# Altium PCB NUCLEOG431RB-Custom-IN-A2212.PcbDoc (part 1 of 5) (continued)
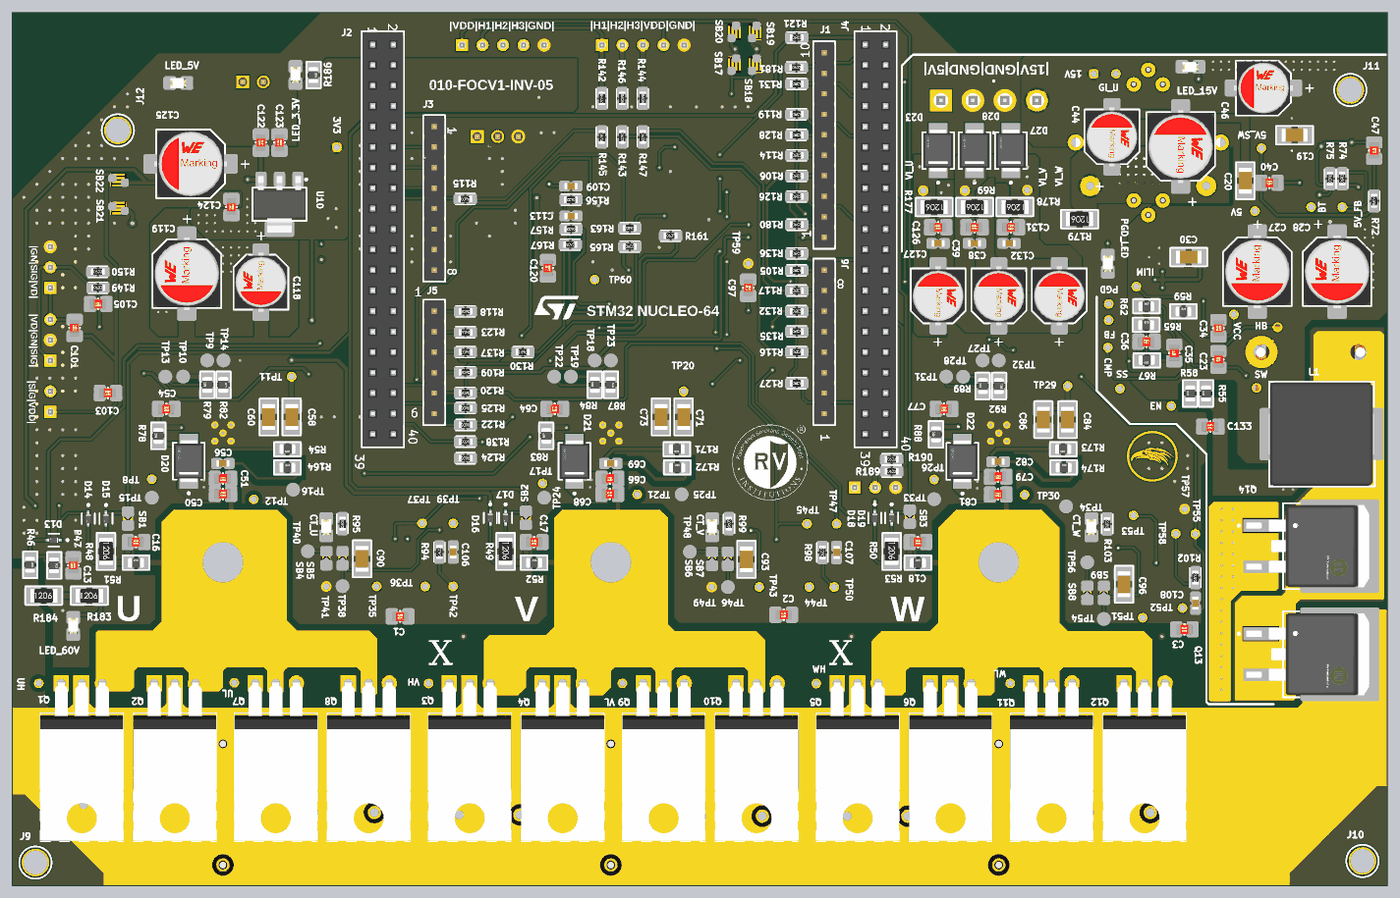
[diagram p8: 3D render of the assembled board from above, using the file's embedded part models]
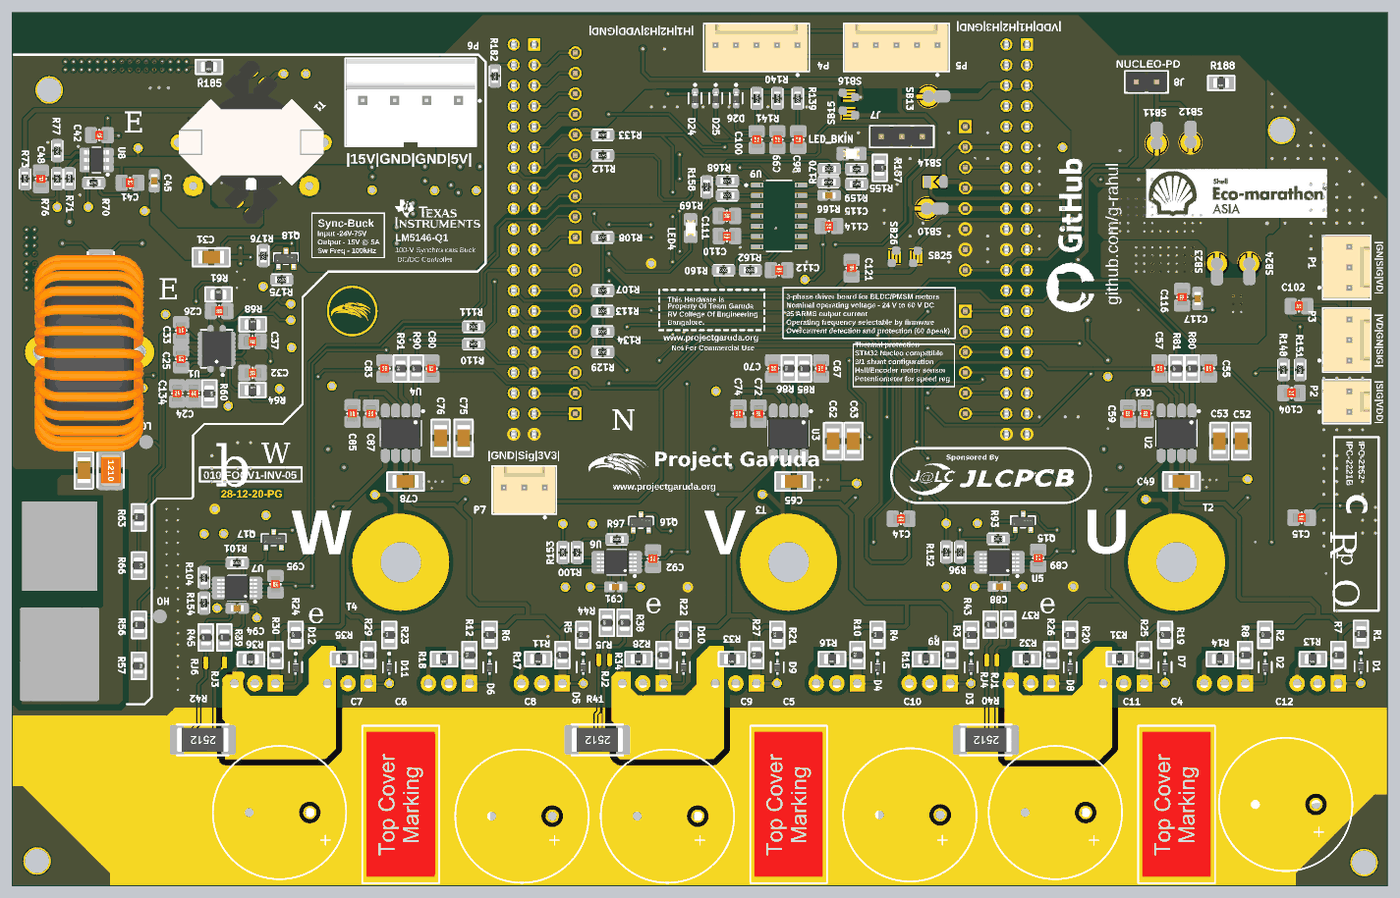
[diagram p9: 3D render of the assembled board from below, using the file's embedded part models]

## Layer stack, top to bottom
Top Solder: solder mask 0.0127, Solder Resist, Dk 3.3
Top Layer: signal copper 0.0178
Dielectric 1: prepreg 0.0711, PP-006, Dk 4.1
POWER1: signal copper 0.035
Dielectric1: core 1.4986, FR-4, Dk 4.3
POWER2: signal copper 0.035
Dielectric 2: prepreg 0.0711, PP-006, Dk 4.1
Bottom Layer: signal copper 0.0178
Bottom Solder: solder mask 0.0127, Solder Resist, Dk 3.3

## Board outline
0,4.299 0,85 18,103 33,103 38,108 112,108 117,103 170,103 170,0 150,0 0.001,0

## Design rules (kind name [scope] priority, off if disabled: settings)
Clearance "Schematic Clearance Constraint_1" [InNetClass('HV')] p1: gap=0.762 ignorepadtopadclearanceinfootprint=FALSE except(0: Arc-Hole Track-Hole SMDPad-Hole THPad-Hole Via-Hole Fill-Hole Poly-Hole Region-Hole Text-Hole; 0.254: Arc-Text Track-Text SMDPad-Text THPad-Text Via-Text Fill-Text Poly-Text Region-Text Text-Text; 0.381: Arc-SMDPad Arc-THPad Arc-Via Track-SMDPad Track-THPad Track-Via SMDPad-SMDPad SMDPad-THPad SMDPad-Via THPad-THPad; 0.508: THPad-Fill THPad-Poly THPad-Region)
Clearance [All] p2: gap=0.152 ignorepadtopadclearanceinfootprint=FALSE except(0.127: Arc-Arc Arc-Track Track-Track; 0.2: Arc-THPad Track-THPad SMDPad-Hole THPad-Hole Via-Hole; 0.33: Arc-Hole Track-Hole)
DiffPairsRouting [All] p1: maxlimit=0.254 minlimit=0.254 mostfreqgap=0.254 toplayer_minwidth=0.254 toplayer_maxwidth=0.254 toplayer_prefwidth=0.254 midlayer1_minwidth=0.254 midlayer1_maxwidth=0.254 midlayer1_prefwidth=0.254 midlayer2_minwidth=0.254 midlayer2_maxwidth=0.254 midlayer2_prefwidth=0.254 bottomlayer_minwidth=0.254 bottomlayer_maxwidth=0.254 bottomlayer_prefwidth=0.254 substack1={9C03E9D1-F3E2-496D-AFFC-F596EAE3BE2A} toplayer_{9c03e9d1-f3e2-496d-affc-f596eae3be2a}_minwidth=0.381 toplayer_{9c03e9d1-f3e2-496d-affc-f596eae3be2a}_maxwidth=0.381 toplayer_{9c03e9d1-f3e2-496d-affc-f596eae3be2a}_prefwidth=0.381 midlayer1_{9c03e9d1-f3e2-496d-affc-f596eae3be2a}_minwidth=0.381 midlayer1_{9c03e9d1-f3e2-496d-affc-f596eae3be2a}_maxwidth=0.381 midlayer1_{9c03e9d1-f3e2-496d-affc-f596eae3be2a}_prefwidth=0.381 midlayer2_{9c03e9d1-f3e2-496d-affc-f596eae3be2a}_minwidth=0.381 midlayer2_{9c03e9d1-f3e2-496d-affc-f596eae3be2a}_maxwidth=0.381 midlayer2_{9c03e9d1-f3e2-496d-affc-f596eae3be2a}_prefwidth=0.381 bottomlayer_{9c03e9d1-f3e2-496d-affc-f596eae3be2a}_minwidth=0.381 bottomlayer_{9c03e9d1-f3e2-496d-affc-f596eae3be2a}_maxwidth=0.381 bottomlayer_{9c03e9d1-f3e2-496d-affc-f596eae3be2a}_prefwidth=0.381 maxuncoupledlength=12.7
Height [All] p1: minheight=0 maxheight=100 prefheight=12.7
HoleSize [All] p1: absolutevalues=TRUE maxlimit=7.62 minlimit=0.254 maxpercent=80.000 minpercent=20.000
HoleToHoleClearance [All] p1: gap=0.5 allowstackedmicrovias=TRUE
MinimumAnnularRing [All] p1: minimumring=0.13
MinimumSolderMaskSliver LOGO [HasFootprint('garudalogo6mm_circle')] p1: minsoldermaskwidth=0
MinimumSolderMaskSliver [All] p2: minsoldermaskwidth=0.2
PasteMaskExpansion [All] p1: expansion=0.254
PlaneClearance [All] p1: clearance=0.381
PlaneConnect [All] p1: pad.planeconnectstyle=Relief pad.reliefexpansion=0.508 pad.reliefentries=4 pad.reliefconductorwidth=0.254 pad.reliefairgap=0.254 via.planeconnectstyle=Direct via.reliefexpansion=0.508 via.reliefentries=4 via.reliefconductorwidth=0.254 via.reliefairgap=0.254
PolygonConnect PolygonConnect_SWN_BUCK [InNet('NetC23_2')] p1: connectstyle=Direct reliefconductorwidth=0.254 reliefentries=4 polygonreliefangle="90 Angle" airgapwidth=0.254
PolygonConnect GND_Connect [InNet('A_GND')] p2: connectstyle=Direct reliefconductorwidth=0.254 reliefentries=4 polygonreliefangle="90 Angle" airgapwidth=0.254
PolygonConnect PolygonConnect_HV [InNetClass('HV')] p3: connectstyle=Direct reliefconductorwidth=0.254 reliefentries=4 polygonreliefangle="90 Angle" airgapwidth=0.254
PolygonConnect [All] p4: thpad.connectstyle=Relief thpad.reliefconductorwidth=0.508 thpad.reliefentries=4 thpad.polygonreliefangle="45 Angle" thpad.airgapwidth=0.254 smdpad.connectstyle=Direct smdpad.reliefconductorwidth=0.254 smdpad.reliefentries=4 smdpad.polygonreliefangle="90 Angle" smdpad.airgapwidth=0.254 via.connectstyle=Direct via.reliefconductorwidth=0.254 via.reliefentries=4 via.polygonreliefangle="90 Angle" via.airgapwidth=0.254
RoutingVias [All] p1: holewidth=0.254 width=0.508 viastyle="Through Hole" minholewidth=0.254 minwidth=0.508 maxholewidth=1 maxwidth=2
SMDNeckDown [All] p1: percent=102.000
SilkToSilkClearance [All] p1: silktosilkclearance=0.15
SilkToSolderMaskClearance SilkscreenOverComponentPads [IsPad] p1: minsilkscreentomaskgap=0.025 clearancetoexposedcopper=TRUE
SolderMaskExpansion Via_Stitching [(InNamedUnion('Via Stitchings'))] p1: expansion=0 istentingtop=TRUE
SolderMaskExpansion "Via Expansion" [IsVia] p2: expansion=0.102 istentingtop=TRUE
SolderMaskExpansion [All] p3: expansion=0.05 istentingtop=FALSE
Width [All] p1: maxlimit=2.54 minlimit=0.254 preferedwidth=0.254 substack1={9C03E9D1-F3E2-496D-AFFC-F596EAE3BE2A}
20 further rules are at their usual default settings.

## Classes and differential pairs
component class NUCLEOG431RB-Custom-IN-A2212: J9 J10 J11 J12
component class U_Thermal_Sense: C101 C102 C103 C104 C105 P1 P2 P3 R148 R149 R150 R151 SB21 SB22
component class U_Hall_Input: C98 C99 C100 D24 D25 D26 P4 P5 R139 R140 R141 R142 R143 R144 R145 R146 R147 SB15 SB16 SB17 SB18 SB19 SB20
component class U_Connector: C97 J1 J2 J3 J4 J5 J6 J7 J8 LED4 P7 R105 R106 R107 R108 R109 R110 R111 R112 R113 R114 R115 R116 R117 R118 R119 R120 R121 R122 R123 R124 R125 R126 R127 R128 R129 R130 R131 R132 R133 R134 R135 R136 R137 R138 R180 R181 R182 R189 R190 SB10 SB11 SB12 SB13 SB14 TP59
net class HV: 60V NetQ7_3 NetQ9_3 NetQ11_3 PH_U PH_V PH_W
component class U_Power_Section: C1 C2 C3 C4 C5 C6 C7 C8 C9 C10 C11 C12 C13 D1 D2 D3 D4 D5 D6 D7 D8 D9 D10 D11 D12 D13 LED_60V Q1 Q2 Q3 Q4 Q5 Q6 Q7 Q8 Q9 Q10 Q11 Q12 R1 R2 R3 R4 R5 R6 R7 R8 R9 R10 R11 R12 R13 R14 R15 R16 R17 R18 R19 R20 R21 R22 R23 R24 R25 R26 R27 R28 R29 R30 R31 R32 R33 R34 R35 R36 R37 R38 R39 R40 R41 R42 R43 R44 R45 R46 R47 R183 R184 RJ1 RJ2 RJ3 RJ4 RJ5 RJ6 T2 T3 T4 UH UL VH VL WH WL
component class U_Isolated_Bias: 5V 5V_FB 5V_SW BT C19 C20 C38 C39 C40 C41 C42 C43 C44 C45 C46 C47 C48 C126 C127 C128 C129 C130 C131 C132 D23 D27 D28 GI_U LED_5V R69 R70 R71 R72 R73 R74 R75 R76 R77 R177 R178 R179 R188 T1 U8 VI_U VI_V VI_W
component class U_Gate_Driver: C49 C50 C51 C52 C53 C54 C55 C56 C57 C58 C59 C60 C61 C62 C63 C64 C65 C66 C67 C68 C69 C70 C71 C72 C73 C74 C75 C76 C77 C78 C79 C80 C81 C82 C83 C84 C85 C86 C87 D20 D21 D22 R54 R78 R79 R80 R81 R82 R83 R84 R85 R86 R87 R88 R89 R90 R91 R92 R164 R171 R172 R173 R174 TP8 TP9 TP10 TP11 TP12 TP13 TP14 TP15 TP16 TP17 TP18 TP19 TP20 TP21 TP22 TP23 TP24 TP25 TP26 TP27 TP28 TP29 TP30 TP31 TP32 TP33 TP34 U2 U3 U4
component class "U_Current Sense": C88 C89 C90 C91 C92 C93 C94 C95 C96 C106 C107 C108 C109 C110 C111 C112 C113 C114 C115 CT_U CT_V CT_W LED_BKIN Q15 Q16 Q17 R93 R94 R95 R96 R97 R98 R99 R100 R101 R102 R103 R104 R152 R153 R154 R155 R156 R157 R158 R159 R160 R161 R162 R163 R165 R166 R167 R168 R169 R170 R187 SB4 SB5 SB6 SB7 SB8 SB9 TP35 TP36 TP37 TP38 TP39 TP40 TP41 TP42 TP43 TP44 TP45 TP46 TP47 TP48 TP49 TP50 TP51 TP52 TP53 TP54 TP55 TP56 TP57 TP58 TP60 U5 U6 U7 U9
component class U_Auxillary_Supply: 3V3 15V C21 C22 C23 C24 C25 C26 C27 C28 C29 C30 C31 C32 C33 C34 C35 C36 C37 C122 C123 C124 C125 C133 C134 CMP EN FB HB HO ILIM L1 L2 LED_3.3V LED_15V LO P6 PGD PGD_LED Q13 Q14 Q18 R55 R56 R57 R58 R59 R60 R61 R62 R63 R64 R65 R66 R67 R68 R175 R176 R185 R186 SS SW U1 U10 VCC
component class U_Analog_Sense: C14 C15 C16 C17 C18 C116 C117 C118 C119 C120 C121 D14 D15 D16 D17 D18 D19 R48 R49 R50 R51 R52 R53 SB1 SB2 SB3 SB23 SB24 SB25 SB26
differential pair V_Shunt_W: +V_Shunt_W_P -V_Shunt_W_N
differential pair V_Shunt_V: +V_Shunt_V_P -V_Shunt_V_N
differential pair V_Shunt_U: +V_Shunt_U_P -V_Shunt_U_N

## Components (designator, comment, footprint, x,y, rotation, side; value= is the part's Value field where it differs from the comment)
3V3 "Test Point" Test_point_THT#1 40.1,91.4 r0 top
5V "Test Point" TEST_POINT_THT 153.7,83.5 r0 top
5V_FB "Test Point" TEST_POINT_THT 164.5,84 r90 top
5V_SW "Test Point" TEST_POINT_THT 154.497,91.293 r270 top
15V "Test Point" Test_point_THT#1 133.75,100.5 r0 top
BT "Test Point" TEST_POINT_THT 160.653,84 r270 top
C1 "180pF" SMD-0805C 47.925,33.3 r90 top
C2 "180pF" SMD-0805C 95.395,33.491 r90 top
C3 "180pF" SMD-0805C 144.97,31.703 r90 top
C4 "2.2uF, 100V" L18_W8.5_H15_P15 26,10 r90 bottom locked
C5 "2.2uF, 100V" L18_W8.5_H15_P15 74,10 r90 bottom locked
C6 "2.2uF, 100V" L18_W8.5_H15_P15 122,10 r90 bottom locked
C7 "270uF, 100V" WCAP-ATUL_16x25 137,9 r180 bottom locked
C8 "270uF, 100V" WCAP-ATUL_16x25 107,8.554 r180 bottom locked
C9 "270uF, 100V" WCAP-ATUL_16x25 89,8.554 r180 bottom locked
C10 "270uF, 100V" WCAP-ATUL_16x25 59,8.712 r180 bottom locked
C11 "270uF, 100V" WCAP-ATUL_16x25 41,9 r180 bottom locked
C12 "270uF, 100V" WCAP-ATUL_16x25 12.5,10 r180 bottom
C13 "0.10µF" SMD-0805C 7.5,39.624 r0 top
C14 "0.10µF" SMD-0805C 60.096,45.392 r270 bottom
C15 "0.10µF" SMD-0805C 10.516,45.52 r270 bottom
C16 "0.10µF" SMD-0805C 15.24,42.5 r90 top
C17 "0.10µF" SMD-0805C 64.516,42.5 r90 top
C18 "0.10µF" SMD-0805C 112,42.5 r90 top
C19 "4.7µF" SMD-1206C#1 158.6,92.9 r90 top
C20 "4.7µF" SMD-1206C#1 152.5,87.259 r180 top
C21 "2.2µF" SMD-1210C 157.9,51.4 r270 bottom
C22 "0.47µF" SMD-1206C#1 161.2,51.4 r180 bottom
C23 "0.10µF" SMD-0805C 149.171,65.128 r0 top
C24 "0.10µF" SMD-0805C 147.633,60.908 r0 bottom
C25 "0.10µF" SMD-0805C 149.171,65.182 r180 bottom
C26 "10pF" SMD-0805C 144.471,71.12 r90 bottom
C27 "100uF, 35V" WCAP-ASLL_8x10.5 154,76 r90 top locked
C28 "100uF, 35V" WCAP-ASLL_8x10.5 163.863,76 r90 top
C29 "10µF" SMD-1210C 159.1,76.3 r270 bottom
C30 "10µF" SMD-1206C#1 145.503,77.8 r90 top
C31 "10µF" SMD-1206C#1 145.454,77.781 r270 bottom
C32 "0.018µF" SMD-0805C 140.335,63.453 r90 bottom
C33 "4.7µF" SMD-0805C 149.171,68.711 r0 bottom
C34 "4.7µF" SMD-0805C 149.171,68.986 r180 top
C35 "1000pF" SMD-0805C 143.709,65.924 r0 top
C36 "0.033µF" SMD-0805C 140.279,67.327 r270 top
C37 "1pF" SMD-0805C 140.347,67.36 r90 bottom
C38 "0.10µF" SMD-0603C 119,79.5 r270 top
C39 "0.10µF" SMD-0805C 119,81.5 r270 top
C40 "0.10µF" SMD-0805C 155.484,87 r270 top
C41 "0.10µF" SMD-0805C 155.5,87 r270 bottom
C42 "0.10µF" SMD-0805C 159.292,92.908 r90 bottom
C43 "47uF, 35V" WCAP-ASLL_6.3x5.5 154.75,98.75 r0 top
C44 "47uF, 25V" WCAP-ASLL_6.3x5.5 136,92.7 r270 top locked
C45 "0.10µF" SMD-0603C 152.5,87.259 r180 bottom
C46 "100uF, 25V" WCAP-ASLU_8x6.5 144.5,91.5 r270 top
C47 "82pF" SMD-0805C 168.461,91 r180 top
C48 "82pF" SMD-0805C 166.5,87.5 r0 bottom
C49 "10µF" SMD-1206C#2 25.397,50.029 r270 bottom
C50 "1µF" SMD-0805C 26.007,48.458 r90 top
C51 "0.10µF" SMD-0805C 26.007,50.356 r90 top
C52 "10µF" SMD-1206C#1 18,55 r180 bottom
C53 "10µF" SMD-1206C#1 20.699,55 r180 bottom
C54 "1µF" SMD-0805C 19,59 r90 top
C55 "100pF" SMD-0805C 22,64 r180 bottom
C56 "0.015µF" SMD-0603C 26,52.238 r90 top
C57 "100pF" SMD-0805C 28.121,64 r0 bottom
C58 "10µF" SMD-1206C#1 34.5,58 r0 top
C59 "0.10µF" SMD-0805C 32,58.413 r180 bottom
C60 "10µF" SMD-1206C#1 31.672,58 r0 top
C61 "0.10µF" SMD-0805C 29.823,58.413 r180 bottom
C62 "10µF" SMD-1206C#1 68.5,55 r180 bottom
C63 "10µF" SMD-1206C#1 66,55 r180 bottom
C64 "1µF" SMD-0805C 67.065,59 r90 top
C65 "10µF" SMD-1206C#1 73.365,50 r270 bottom
C66 "1µF" SMD-0805C 73.888,50.356 r90 top
C67 "100pF" SMD-0805C 70,64 r180 bottom
C68 "0.10µF" SMD-0805C 73.874,48.458 r90 top
C69 "0.015µF" SMD-0603C 73.997,52.238 r90 top
C70 "100pF" SMD-0805C 75.905,64 r0 bottom
C71 "10µF" SMD-1206C#1 83,58 r0 top
C72 "0.10µF" SMD-0805C 77.734,58.41 r180 bottom
C73 "10µF" SMD-1206C#1 80.203,58 r0 top
C74 "0.10µF" SMD-0805C 80.203,58.41 r180 bottom
C75 "10µF" SMD-1206C#1 114.227,55.388 r180 bottom
C76 "10µF" SMD-1206C#1 117.063,55.388 r180 bottom
C77 "1µF" SMD-0805C 115.228,59 r90 top
C78 "10µF" SMD-1206C#1 121.408,50 r270 bottom
C79 "1µF" SMD-0805C 121.916,50.59 r90 top
C80 "100pF" SMD-0805C 118.197,63.99 r180 bottom
C81 "0.10µF" SMD-0805C 121.916,48.405 r90 top
C82 "0.015µF" SMD-0603C 121.921,52.458 r90 top
C83 "100pF" SMD-0805C 124,64 r0 bottom
C84 "10µF" SMD-1206C#1 130.52,57.666 r0 top
C85 "0.10µF" SMD-0805C 127.963,58.429 r180 bottom
C86 "10µF" SMD-1206C#1 127.52,57.666 r0 top
C87 "0.10µF" SMD-0805C 125.657,58.41 r180 bottom
C88 "0.015µF" SMD-0603C 47.925,37 r270 bottom
C89 "0.10µF" SMD-0805C 43.108,40.516 r180 bottom
C90 "10µF" SMD-1206C#1 43.226,40.428 r180 top
C91 "0.015µF" SMD-0603C 95.395,36.942 r270 bottom
C92 "0.10µF" SMD-0805C 90.775,40.458 r180 bottom
C93 "10µF" SMD-1206C#1 90.775,40.371 r180 top
C94 "0.015µF" SMD-0603C 142.24,34.299 r270 bottom
C95 "0.10µF" SMD-0805C 137.5,37.281 r180 bottom
C96 "10µF" SMD-1206C#1 137.5,37.277 r180 top
C97 "0.10µF" SMD-0805C 91,74 r180 top
C98 "0.10µF" SMD-0805C 72.804,92.354 r0 bottom
C99 "0.10µF" SMD-0805C 75.407,92.354 r0 bottom
C100 "0.10µF" SMD-0805C 77.96,92.354 r0 bottom
C101 "0.015µF" SMD-0805C 7.65,69.032 r180 top
C102 "0.015µF" SMD-0805C 10.855,71.723 r90 bottom
C103 "0.015µF" SMD-0805C 11.776,60.966 r270 top
C104 "0.015µF" SMD-0805C 11.776,60.966 r90 bottom
C105 "0.015µF" SMD-0805C 10.557,71.994 r90 top
C106 "0.015µF" SMD-0603C 54.5,41.275 r0 top
C107 "0.015µF" SMD-0603C 101.937,41.217 r0 top
C108 "0.015µF" SMD-0603C 146.348,34.937 r180 top
C109 "0.015µF" SMD-0603C 69.069,86.602 r90 top
C110 "0.10µF" SMD-0805C 81.641,80.406 r90 bottom
C111 "0.10µF" SMD-0805C 81.641,82.899 r270 bottom
C112 "0.10µF" SMD-0805C 75.184,76.2 r90 bottom
C113 "0.015µF" SMD-0603C 69.074,82.899 r270 top
C114 "0.10µF" SMD-0805C 69.014,81.649 r90 bottom
C115 "0.015µF" SMD-0603C 69,85.449 r270 bottom
C116 "0.10µF" SMD-0805C 25.315,72.833 r180 bottom
C117 "0.10µF" SMD-0603C 23.398,72.666 r0 bottom
C118 "47uF, 25V" WCAP-ASLL_6.3x5.5 30.7,74.695 r90 top
C119 "100uF, 25V" WCAP-ASLU_8x6.5 21.532,75.748 r90 top
C120 "0.10µF" SMD-0805C 66.203,76.435 r180 top
C121 "0.10µF" SMD-0805C 66.203,76.435 r0 bottom
C122 "0.10µF" SMD-0805C 30.7,92 r0 top
C123 "4.7µF" SMD-0805C 33,92 r180 top
C124 "4.7µF" SMD-0805C 27.053,84 r180 top
C125 "100uF, 25V" WCAP-ASLU_8x6.5 22,89.345 r0 top
C126 "0.10µF" SMD-0805C 114.5,81.5 r270 top
C127 "0.10µF" SMD-0603C 114.5,79.5 r270 top
C128 "47uF, 25V" WCAP-ASLL_6.3x5.5 114.5,73 r270 top
C129 "47uF, 25V" WCAP-ASLL_6.3x5.5 122,73 r270 top
C130 "47uF, 25V" WCAP-ASLL_6.3x5.5 129.5,73 r270 top
C131 "0.10µF" SMD-0805C 123.5,81.5 r90 top
C132 "0.10µF" SMD-0603C 123.275,79.5 r90 top
C133 "0.10µF" SMD-0805C 148.178,56.808 r270 top
C134 "0.10µF" SMD-0805C 149.668,60.908 r0 bottom
CMP "Test Point" Test_point_THT#1 135.5,66.6 r0 top
CT_U "150080RS75000" 0805_A 38.789,44.342 r90 top
CT_V "150080RS75000" 0805_A 86.525,44.342 r90 top
CT_W "150080RS75000" 0805_A 133.453,44.342 r90 top
D1 "BAT54KFILM" FP-SOD-523-MFG#1 3.192,27.117 r270 bottom locked value=7pF
D2 "BAT54KFILM" FP-SOD-523-MFG#1 15.025,27 r270 bottom locked value=7pF
D3 "BAT54KFILM" FP-SOD-523-MFG#1 51.42,27 r270 bottom locked value=7pF
D4 "BAT54KFILM" FP-SOD-523-MFG#1 63,27 r270 bottom locked value=7pF
D5 "BAT54KFILM" FP-SOD-523-MFG#1 99.42,27 r270 bottom locked value=7pF
D6 "BAT54KFILM" FP-SOD-523-MFG#1 111,27 r270 bottom locked value=7pF
D7 "BAT54KFILM" FP-SOD-523-MFG#1 27.42,27 r270 bottom locked value=7pF
D8 "BAT54KFILM" FP-SOD-523-MFG#1 39.17,27 r270 bottom locked value=7pF
D9 "BAT54KFILM" FP-SOD-523-MFG#1 75.42,27 r270 bottom locked value=7pF
D10 "BAT54KFILM" FP-SOD-523-MFG#1 87,27 r270 bottom locked value=7pF
D11 "BAT54KFILM" FP-SOD-523-MFG#1 123.42,27 r270 bottom locked value=7pF
D12 "BAT54KFILM" FP-SOD-523-MFG#1 135,27 r270 bottom locked value=7pF
D13 "BAT54KFILM" FP-SOD-523-MFG#1 5.08,42.744 r180 top value=7pF
D14 "BAT54KFILM" FP-SOD-523-MFG#1 9.341,45.417 r270 top value=7pF
D15 "BAT54KFILM" FP-SOD-523-MFG#1 11.536,45.417 r270 top value=7pF
D16 "BAT54KFILM" FP-SOD-523-MFG#1 59.08,45.5 r270 top value=7pF
D17 "BAT54KFILM" FP-SOD-523-MFG#1 60.976,45.5 r270 top value=7pF
D18 "BAT54KFILM" FP-SOD-523-MFG#1 106.666,45.5 r270 top value=7pF
D19 "BAT54KFILM" FP-SOD-523-MFG#1 108.75,45.5 r270 top value=7pF
D20 "MURS160-13-F" FP-SMB-MFG 21.777,52.527 r90 top value=10pF
D21 "MURS160-13-F" FP-SMB-MFG 69.5,52.5 r90 top value=10pF
D22 "MURS160-13-F" FP-SMB-MFG 117.5,52.5 r90 top value=10pF
D23 "MURS160-13-F" FP-SMB-MFG 114.5,91 r90 top value=10pF
D24 "BAT54KFILM" FP-SOD-523-MFG#2 85.58,97.461 r270 bottom value=7pF
D25 "BAT54KFILM" FP-SOD-523-MFG#2 83.022,97.461 r270 bottom value=7pF
D26 "BAT54KFILM" FP-SOD-523-MFG#2 80.5,97.461 r270 bottom value=7pF
D27 "MURS160-13-F" FP-SMB-MFG 123.5,91 r90 top value=10pF
D28 "MURS160-13-F" FP-SMB-MFG 119,91 r90 top value=10pF
Designator5 "Comment" garudalogo6mm_circle 141,53 r0 top
Designator6 "Comment" garudalogo6mm_circle 128,71 r180 bottom
EN "Test Point" Test_point_THT#1 143.346,59.358 r0 top
FB "Test Point" Test_point_THT#1 135.6,70 r0 top
GI_U "Test Point" Test_point_THT#1 136.5,100.5 r0 top
HB "Test Point" Test_point_THT#1 156.5,69.1 r90 top
HO "Test Point" Test_point_SMD#1 151.8,33.3 r180 bottom
ILIM "Test Point" Test_point_THT#1 139.021,74.157 r0 top
J1 "61301011121" 61301011121 100.4,91.684 r90 top locked
J2 "61304021821" 61304021821 45.79,80 r270 top locked
J3 "61300811121" 61300811121 52.14,85.08 r270 top locked
J4 "61304021821" 61304021821 106.75,80 r270 top locked
J5 "61300611121" 61300611121 52.14,64.76 r270 top locked
J6 "61300811121" 61300811121 100.4,67.3 r90 top locked
J7 "61300311121" 61300311121 60,92.729 r0 bottom
J8 "61300211121" 61300211121 29.73,99.5 r0 bottom
J9 "Socket" MOUNTING_HOLE_3MM 2.8,2.8 r0 top
J10 "Socket" MOUNTING_HOLE_3MM 167,3 r0 top
J11 "Socket" MOUNTING_HOLE_3MM 165.5,98.5 r0 top
J12 "Socket" MOUNTING_HOLE_3MM 13,93.5 r90 top
L1 "Inductor" SRR1260 161.931,55.88 r180 top value=63uH
L2 "Inductor" "INDUCTOR 25MM" 166.5,66.04 r180 bottom locked
LED4 "150080GS75000" 0805_A 86.13,81.388 r270 bottom
LED_3.3V "150080SS75000" 0805_A 34.978,100.358 r90 top
LED_5V "150080SS75000" 0805_A 20.478,99.358 r180 top
LED_15V "150080SS75000" 0805_A 145.728,101.358 r180 top
LED_60V "150080SS75000" 0805_A 7.478,32.108 r90 top
LED_BKIN "150080SS75000" 0805_A 66.228,90.608 r180 bottom
LO "Test Point" Test_point_SMD#1 153.5,54.9 r180 bottom
P1 "61900311121" 61900311121 4.938,76.543 r270 bottom
P2 "61900211121" 61900211121 4.938,59.901 r270 bottom
P3 "61900311121" 61900311121 4.938,67.532 r270 bottom
P4 "61900511121" 61900511121 77.98,103.76 r180 bottom
P5 "61900511121" 61900511121 60.66,103.76 r180 bottom
P6 "645004114822" 645004114822 120.78,96.975 r180 bottom
P7 "61900311121" 61900311121 106.71,48.95 r180 bottom
PGD "Test Point" Test_point_THT#2 135.5,72 r0 top
PGD_LED "150080RS75000" 0805_A 135.5,77 r90 top
Q1 "IRFB4110" TO-220-3_HORIZONTAL_TABUP 6,25 r0 top locked
Q2 "IRFB4110" TO-220-3_HORIZONTAL_TABUP 17.5,25 r0 top locked
Q3 "IRFB4110" TO-220-3_HORIZONTAL_TABUP 54,25 r0 top locked
Q4 "IRFB4110" TO-220-3_HORIZONTAL_TABUP 65.5,25 r0 top locked
Q5 "IRFB4110" TO-220-3_HORIZONTAL_TABUP 102,25 r0 top locked
Q6 "IRFB4110" TO-220-3_HORIZONTAL_TABUP 113.5,25 r0 top locked
Q7 "IRFB4110" TO-220-3_HORIZONTAL_TABUP 30,25 r0 top locked
Q8 "IRFB4110" TO-220-3_HORIZONTAL_TABUP 41.5,25 r0 top locked
Q9 "IRFB4110" TO-220-3_HORIZONTAL_TABUP 78,25 r0 top locked
Q10 "IRFB4110" TO-220-3_HORIZONTAL_TABUP 89.5,25 r0 top locked
Q11 "IRFB4110" TO-220-3_HORIZONTAL_TABUP 126,25 r0 top locked
Q12 "IRFB4110" TO-220-3_HORIZONTAL_TABUP 137.5,25 r0 top locked
Q13 "FDB44N25TM" "FP-418AJ-MFG - HALF VIA" 154.421,31.147 r270 top
Q14 "FDB44N25TM" FP-418AJ-MFG 154.421,44.54 r270 top
Q15 "BSS84,215" FP-SOT23-MFG 45,45 r90 bottom
Q16 "BSS84,215" FP-SOT23-MFG 92.275,44.942 r90 bottom
Q17 "BSS84,215" FP-SOT23-MFG 137.721,42.794 r90 bottom
Q18 "BSS84,215" FP-SOT23-MFG 136.2,77.596 r90 bottom
R1 "18" SMD-0805-RES 3.192,31.117 r180 bottom locked
R2 "18" SMD-0805-RES 15.025,31 r180 bottom locked
R3 "18" SMD-0805-RES 51.414,31 r180 bottom locked
R4 "18" SMD-0805-RES 63,31 r180 bottom locked
R5 "18" SMD-0805-RES 99.42,31 r180 bottom locked
R6 "18" SMD-0805-RES 111,31 r180 bottom locked
R7 "18" SMD-0805-RES 5.989,28.508 r180 bottom locked
R8 "18" SMD-0805-RES 17.525,28.508 r180 bottom locked
R9 "18" SMD-0805-RES 54,28.508 r180 bottom locked
R10 "18" SMD-0805-RES 65.5,28.508 r180 bottom locked
R11 "18" SMD-0805-RES 102,28.508 r180 bottom locked
R12 "18" SMD-0805-RES 113.5,28.508 r180 bottom locked
R13 "10k" SMD-0805-RES 9.137,28 r90 bottom
R14 "10k" SMD-0805-RES 20.625,28 r90 bottom locked
R15 "10k" SMD-0805-RES 57,28 r90 bottom locked
R16 "10k" SMD-0805-RES 68.631,28 r90 bottom locked
R17 "10k" SMD-0805-RES 105,28 r90 bottom locked
R18 "10k" SMD-0805-RES 116.637,28 r90 bottom locked
R19 "18" SMD-0805-RES 27.42,31 r180 bottom locked
R20 "18" SMD-0805-RES 39.17,31 r180 bottom locked
R21 "18" SMD-0805-RES 75.412,31 r180 bottom locked
R22 "18" SMD-0805-RES 87,31 r180 bottom locked
R23 "18" SMD-0805-RES 123.42,31 r180 bottom locked
R24 "18" SMD-0805-RES 135,31 r180 bottom locked
R25 "18" SMD-0805-RES 30,28.508 r180 bottom locked
R26 "18" SMD-0805-RES 41.5,28.508 r180 bottom locked
R27 "18" SMD-0805-RES 78,28.508 r180 bottom locked
R28 "18" SMD-0805-RES 89.5,28.508 r180 bottom locked
R29 "18" SMD-0805-RES 126,28.508 r180 bottom locked
R30 "18" SMD-0805-RES 137.5,28.508 r180 bottom locked
R31 "10k" SMD-0805-RES 33,28 r90 bottom locked
R32 "10k" SMD-0805-RES 44.53,28 r90 bottom locked
R33 "10k" SMD-0805-RES 81,28 r90 bottom
R34 "10k" SMD-0805-RES 92.569,28 r90 bottom locked
R35 "10k" SMD-0805-RES 129,28 r90 bottom locked
R36 "10k" SMD-0805-RES 140.543,27.968 r90 bottom locked
R37 "1.5" SMD-0805-RES 46.832,32.27 r180 bottom
R38 "1.5" SMD-0805-RES 94.312,32.5 r180 bottom
R39 "1.5" SMD-0805-RES 143.827,30.69 r180 bottom
R40 "0.001" SMD-2512-RES 49.594,18 r0 bottom net-tie
R41 "0.001" SMD-2512-RES 97.673,18 r0 bottom net-tie